# Altium PCB SecurityBoard.PcbDoc (part 2 of 2)
Units mil, origin at the board's own origin, x right, y up, seen from the top; angles counter-clockwise.
Board outline 3728.47 x 3937.01 mil, 4 copper layers (Top Layer, GROUND, POWER, Bottom Layer), stack 53.912 mil thick; 127 components, 88 nets, 441 pads, 179 vias.
Unrouted connection lines stored in the file: 6.
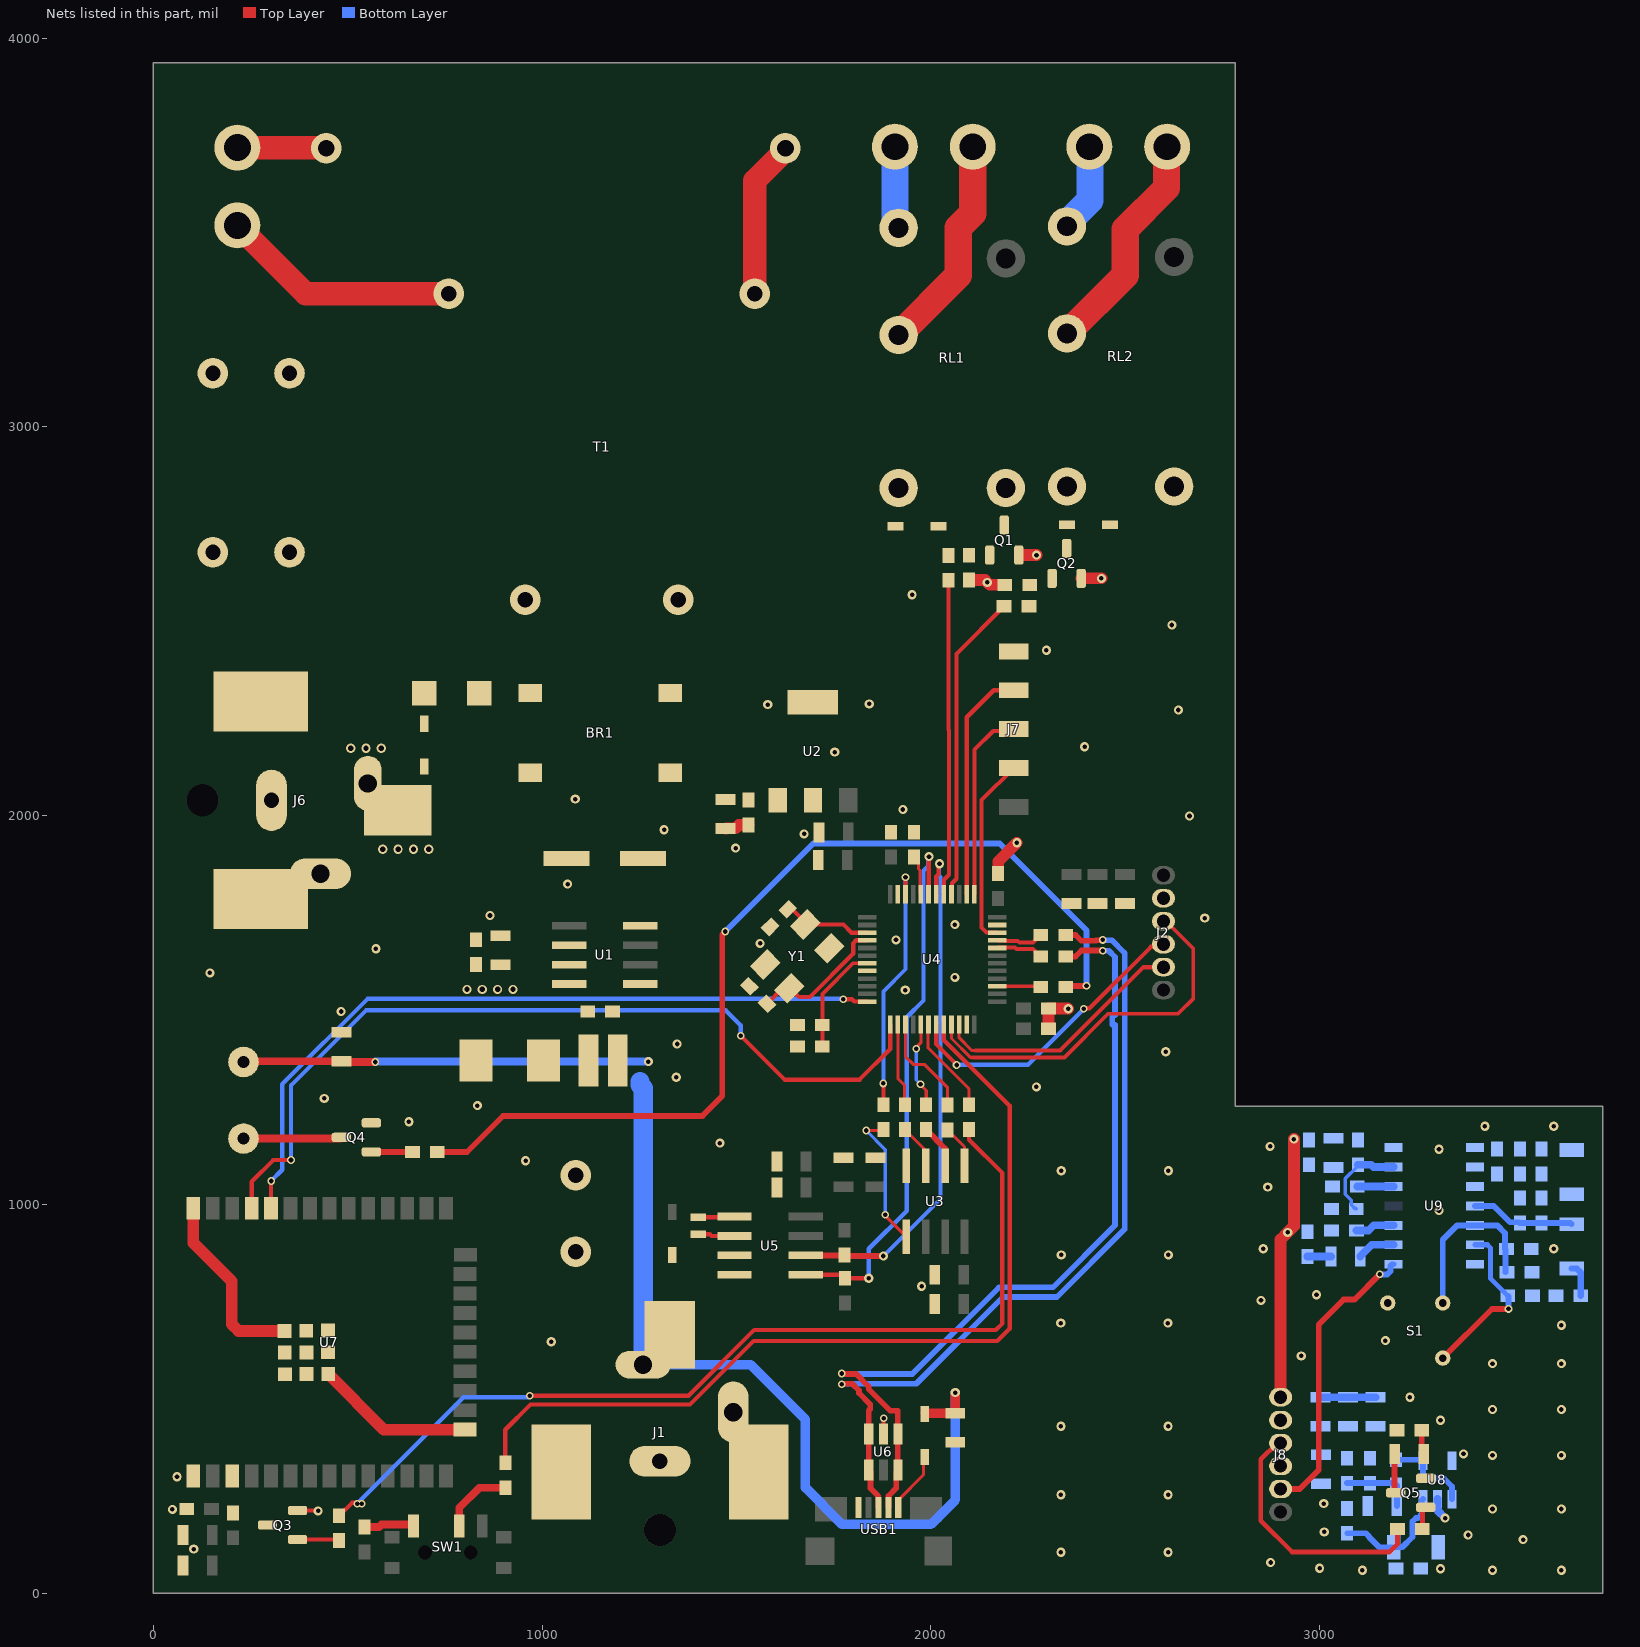
[diagram p4: the nets of this part, all layers, seen from the top]

## Via types
v1: diameter 23.62, hole 11.81, Top Layer to Bottom Layer, tented both sides, 115 vias
v2: diameter 19.68, hole 11.81, Top Layer to Bottom Layer, tented both sides, 24 vias
v3: diameter 19.68, hole 11.81, POWER to Bottom Layer, tented both sides, 20 vias
v4: diameter 23.62, hole 13.78, Top Layer to Bottom Layer, tented both sides, 11 vias
v5: diameter 19.68, hole 11.81, Top Layer to POWER, tented both sides, 6 vias
v6: diameter 23.62/23.62 (per signal layer), hole 11.81, Top Layer to Bottom Layer, tented both sides, 3 vias

## Nets (pads, with @x,y where several pads share a name; then routed paths per layer and width w, separated by ;. In a path a pad name is that pad's centre, name@x,y a point inside that pad or via, vN(x,y) a via of type N, cw(c..) or ccw(c..) an arc to the next point about the centre after c; other vN are vias at no path point) (continued)
3V3DC_II: C38.2 C43.2 C44.2 C45.2 C46.2 C47.2 J8.1 R34.2 R35.2 R37.2 RT1.2 U8.5 U9.14 | length 819.9
  Top Layer w30: J8.1@2899.68,504.09 2899.68,909.68 v1(2918,928) 2934,944 v1(2934,1168)
  Bottom Layer w20: C46.2@3002.05,504.09 C47.2@3143.78,504.09
  other v1: 3311.02,62.99 3381.89,149.61 3370.08,358.27 3311.02,444.88 3232.28,503.94
5VDC: BZ1.2 C3.1 C4.1 C8.1 C14.1 C32.2 D4.1 J1.1 L1.2 U1.4 U2.1 | length 3281.7
  Top Layer w20: BZ1.2@232.28,1366.14 234.25,1368.11 C32.2@484.25,1368.11 486.22,1366.14 v3(570.87,1366.14)
  Top Layer w25: D4.1@1985.93,462.6 C14.1@2062.99,462.6 v1(2062.99,515.75)
  Bottom Layer w20: v3(570.87,1366.14) 571.85,1367.13 v1(1273.62,1367.13)
  Bottom Layer w25: J1.1@1259.84,587.6 1536.42,587.6 1677.17,446.85 1677.17,271.65 1771.65,177.17 2000,177.17 2062.99,240.16 v1(2062.99,515.75)
  Bottom Layer w50: 1251.97,1314.96 1251.97,1307.09 1259.84,1299.21 J1.1@1259.84,587.6
  other v1: 1345.47,1326.77 1347.44,1412.4 1313.98,1963.58
  other v2: 570.87,1366.14
12VDC: C1.1 C2.1 D2.1 D3.1 D5.1 J6.1 RL1.5 RL2.4 U1.7
  other v4: 807.09,1552.85 846.46,1552.85 885.83,1552.85 925.2,1552.85 590.55,1913.39 629.92,1913.39 669.29,1913.39 708.66,1913.39 507.87,2173.23 547.24,2173.23 586.61,2173.23
AC_LINE_1: J3.2 R1.1 | length 229
  Top Layer w60: J3.2@216.54,3718.11 217.32,3717.32 444.09,3717.32 R1.1@444.88,3716.54
AC_LINE_2: J3.1 T1.5 | length 616
  Top Layer w60: J3.1@216.54,3518.11 392.13,3342.52 T1.5@759.84,3342.52
BUZZER: R17.2 R22.1 | length 2531.8
  Top Layer w15: R22.1@730.82,1134.84 807.09,1134.84 899.61,1227.36 1412.4,1227.36 1463.58,1278.54 1463.58,1693.9 v5(1471.46,1701.77) ; R17.2@2346.96,1559.06 2349.91,1562.01 v2(2400.59,1562.01)
  Bottom Layer w15: v5(1471.46,1701.77) 1697.83,1928.15 2177.17,1928.15 2400.59,1704.72 v2(2400.59,1562.01)
  other v2: 1471.46,1701.77
  other v5: 2400.59,1562.01
GND: BR1.4 C1.2 C2.2 C3.2 C4.2 C6.2 C7.2 C8.2 C9.2 C10.2 C11.1 C12.1 C13.1 C14.2 C15.1 C16.1 C17.1 C18.1 C19.2 C20.1 C21.2 C22.1 C23.1 C24.1 C25.1 C26.1 C27.1 C28.1 C29.1 C30.1 C31.1 C32.1 D1.1 J1.2 J1.3 J2.2 J6.2 J6.3 J7.5 Q1.E Q2.E Q3.E Q4.E R3.1 R5.1 R6.1 R8.1 U1.6 U2.2 U3.4 U4.8 U4.23 U4.35 U4.47 U5.4 U6.2 U7.1 U7.15 U7.38 U7.39 USB1.5 Y1.2 Y1.4 | length 1440
  Top Layer w10: U6.2@1877.95,409.45 1878.44,409.94 1878.44,449.31 v2(1878.94,449.8)
  Top Layer w11: Q3.E@371.26,212.6 423.23,212.6 v1(424.21,211.61)
  Top Layer w30: U7.38@103.15,989.96 103.15,900.79 201.77,802.17 201.77,692.06 219.35,674.49 U7.39@337.72,674.49 ; U7.39@450.08,563.86 593.27,420.67 U7.15@802.36,420.67 ; C3.2@1472.44,1966.54 1473.66,1967.76 1497.88,1967.76 1506,1975.87 C4.2@1531.5,1975.87 ; R3.1@2098.43,2605.8 2139.28,2605.8 v1(2145.43,2599.65) 2151.57,2593.5 R5.1@2190.44,2593.5 ; C26.1@2173.23,1850.9 2173.23,1881.89 v1(2221.46,1930.12) ; Q1.E@2234.25,2670.08 v1(2271.85,2670.08) ; C28.1@2302.67,1451.77 C27.1@2302.67,1503.94 2352.36,1503.94 v1(2353.35,1502.95) ; Q2.E@2386.81,2610.04 v1(2438.78,2610.04) v1@2438.98,2610.24
  other v1: 2334.65,105.32 2610.24,105.32 104.33,113.19 49.21,215.55 2334.65,252.95 2610.24,252.95 61.02,299.21 2334.65,429.13 2610.24,429.13 1023.62,646.65 2334.23,694.51 2609.82,694.51 1976.38,789.37 2335.63,870.08 2611.22,870.08 2335.63,1086.61 2611.22,1086.61 957.68,1112.2 1457.68,1157.48 657.48,1212.6 833.66,1253.94 439.96,1272.64 2271.65,1302.17 2604.33,1392.72 483.27,1496.06 1934.06,1551.18 2062.01,1583.66 145.67,1595.47 572.83,1657.48 1561.02,1671.26 1910.43,1680.12 2062.01,1719.49 2704.72,1736.22 866.14,1743.11 1065.94,1823.82 1498.03,1916.34 1674.21,1952.76 2665.35,1999.02 1928.15,2015.75 1085.63,2042.32 1752.95,2163.39 2395.67,2177.17 2636.81,2271.65 1580.71,2285.43 1841.54,2287.4 2297.24,2425.2 2620.08,2490.16 1951.77,2567.91
GND_II: C36.1 C38.1 C39.1 C40.1 C41.1 C42.1 C43.1 C44.1 C45.1 C46.1 C47.1 J8.2 Q5.E R24.1 R25.1 R29.1 R32.1 R33.1 S1.3 U8.2 U9.7 | length 57.2
  Bottom Layer w20: U8.2@3303.15,241.93 3303.15,212.6 v1(3322.83,192.91)
  other v1: 3110.24,59.06 3444.88,59.06 3622.05,59.06 3000,64 2874.02,78.74 3523.62,137.8 3011.81,157.48 3444.88,216.54 3622.05,216.54 3010.83,230.32 3444.88,354.33 3622.05,354.33 3444.88,472.44 3622.05,472.44 3444.88,590.55 3622.05,590.55 2952.76,610.24 3169.29,649.61 3622.05,688.98 2849.33,753.03 2992.13,767.72 2855.32,885.83 3602.36,885.83 3307.09,984.25 2866.69,1044.5 3307.09,1141.73 2872.82,1149.06 3425.2,1200.79 3602.36,1200.79
LED_II: J8.3 R36.1 | length 658.1
  Top Layer w12: J8.3@2899.68,385.98 2890.76,385.98 2849,344.22 2849,186 2929,106 3180,106 3200.28,126.28 R36.1@3200.28,165.35
LIGHT_1_GND: J4.1 RL2.3 | length 229.8
  Bottom Layer w70: RL2.3@2350.39,3515.75 2350.39,3523.44 2409.45,3582.49 2409.45,3718.9 J4.1@2407.87,3720.47
LIGHT_1_VCC: J4.2 RL2.2 | length 587
  Top Layer w70: RL2.2@2350.39,3240.16 2500,3389.76 2500,3507.87 2606.3,3614.17 2606.3,3718.9 J4.2@2607.87,3720.47
LIGHT_2_GND: J5.1 RL1.3 | length 212.6
  Bottom Layer w70: J5.1@1907.87,3720.47 1907.87,3528.95 1917.32,3519.5 v5(1917.32,3511.81)
  other v3: 1917.32,3511.81
LIGHT_2_VCC: J5.2 RL1.2 | length 563.2
  Top Layer w70: RL1.2@1917.32,3236.22 2070.87,3389.76 2070.87,3511.81 2107.87,3548.82 J5.2@2107.87,3720.47
MCU_N: R14.1 U4.32 | length 123.4
  Top Layer w10: U4.32@2171.26,1659.45 2172.17,1660.35 2191.69,1660.35 2192.18,1660.84 2216.69,1660.84 2220.63,1656.9 2263.1,1656.9 2268.96,1651.05 2268.96,1648.3 2279.46,1637.8 R14.1@2282.96,1637.8
MCU_P: R15.1 U4.33 | length 123.4
  Top Layer w10: U4.33@2171.26,1679.13 2172.17,1678.23 2191.69,1678.23 2192.18,1677.74 2223.69,1677.74 2227.63,1673.8 2263.1,1673.8 2268.96,1679.66 2268.96,1682.41 2279.46,1692.91 R15.1@2282.96,1692.91
NetBR1_1: BR1.1 T1.9
NetBR1_2: BR1.2 T1.7
NetBR1_3: BR1.3 F1.1
NetBZ1_1: BZ1.1 Q4.C | length 252.8
  Top Layer w20: BZ1.1@232.28,1169.29 480.91,1169.29 Q4.C@483.86,1172.24
NetC5_1: C5.1 U1.1
NetC5_2: C5.2 D1.2 L1.1 U1.8
NetC9_1: C9.1 C10.1 D2.2 F1.2
NetC17_2: C17.2 U4.3 Y1.3 | length 223
  Top Layer w11: C17.2@1644.67,1758.85 Y1.3@1683.6,1719.92 ; Y1.3@1677.38,1719.92 1775.2,1719.92 1796.3,1698.82 U4.3@1836.61,1698.82
NetC18_2: C18.2 U4.4 Y1.1 | length 359.5
  Top Layer w11: C18.2@1578.73,1515.76 1618.64,1555.67 Y1.1@1635.62,1555.67 1639.21,1555.67 1661.42,1533.46 1688.98,1533.46 1800.2,1644.68 1800.2,1671.26 1808.07,1679.13 U4.4@1836.61,1679.13
NetC21_1: C21.1 D6.1 U5.3
NetC33_1: C33.1 C35.1 R23.2 U9.3
NetC33_2: C33.2 R26.1
NetC34_1: C34.1 R24.2 | length 87.9
  Bottom Layer w16: C34.1@3648,834.91 3661.78,834.91 3672,824.7 3672,810.92 R24.2@3672,765
NetC34_2: C34.2 C35.2 R23.1 U9.4 | length 267.5
  Bottom Layer w15: U9.4@3400,996.06 3447.94,996.06 3490,954 3514,954 R23.1@3515.75,952.25 C35.2@3570.87,952.25 3644.83,952.25 C34.2@3648,949.09
NetC36_2: C36.2 S1.1 U9.6 | length 440.4
  Top Layer w15: S1.1@3316.93,604.57 3443.36,731 v5(3486,731)
  Bottom Layer w13: U9.6@3400,896.06 3431.21,896.06 3440,887.28 3440,809 C36.2@3484,765
  Bottom Layer w15: C36.2@3484,765 3486,763 v5(3486,731)
  other v2: 3486,731
NetC37_1: C37.1 R26.2 R27.1 U9.2
NetC37_2: C37.2 R27.2 U9.1
NetC39_2: C39.2 R29.2 S1.2 U9.5 | length 447.5
  Bottom Layer w15: S1.2@3317.01,746.22 3317.01,909.01 3354.06,946.06 U9.5@3400,946.06 3456.94,946.06 3476.5,926.5 3476.5,884.89 3478.31,883.08 R29.2@3478.31,825.44
NetC40_2: C40.2 R28.2 R30.1 R31.1 | length 183
  Bottom Layer w15: R30.1@3070.87,282.96 R31.1@3129.92,282.96 3192.91,282.96 R28.2@3196.85,279.02 3198.82,277.06 C40.2@3198.82,224.41
NetC42_2: C42.2 R35.1 U9.13 | length 234.2
  Bottom Layer w9: C42.2@3094.49,988.19 3092.47,988.19 3081.47,999.19 3081.47,1010.76 3066.5,1025.74 3066.5,1066.43 3098.43,1098.36 R35.1@3098.43,1101.86
  Bottom Layer w20: R35.1@3098.43,1101.86 3133.14,1101.86 3139,1096 3190.49,1096 U9.13@3190.55,1096.06
NetD3_2: D3.2 Q1.C RL1.4
NetD4_2: D4.2 USB1.1 | length 158.1
  Top Layer w8: USB1.1@1916.34,220.47 1916.34,239.17 1981.3,304.13 1981.3,347.44 D4.2@1984.25,350.39
NetD5_2: D5.2 Q2.C RL2.5
NetD7_1: D7.1 R34.1 | length 61.2
  Bottom Layer w20: R34.1@2968.5,865.64 3029.02,865.64 D7.1@3029.53,866.14
NetD7_2: D7.2 U9.9 | length 98.6
  Bottom Layer w20: D7.2@3104.33,866.14 3134.25,896.06 U9.9@3190.55,896.06
NetD8_1: D8.1 R37.1 | length 63
  Top Layer w15: R37.1@3263,419 3263,362.8 D8.1@3267.8,358
NetD8_2: D8.2 Q5.C | length 101.1
  Top Layer w15: D8.2@3193,358 3193,260.78 Q5.C@3195.75,258.03
NetJ2_3: J2.3 U4.21 | length 974.9
  Top Layer w8: U4.21@2053.15,1462.6 2053.15,1426.62 2101.6,1378.17 2107.72,1378.17
  Top Layer w10: 2107.72,1378.17 2343.72,1378.17 2455.71,1490.16 2635.83,1490.16 2675.2,1529.53 2675.2,1657.48 2604.33,1728.35 J2.3@2598.43,1728.35
NetJ2_4: J2.4 U4.19 | length 786.6
  Top Layer w11: U4.19@2013.78,1462.6 2013.78,1412.4 2066.26,1359.92 v2(2066.26,1358.58) ; v3(2393.7,1502.95) 2395.36,1504.61 2408.26,1504.61 2566,1662.36 2591.49,1662.36 J2.4@2598.43,1669.29
  Bottom Layer w11: v2(2066.26,1358.58) 2066.93,1359.25 2250,1359.25 v3(2393.7,1502.95)
  other v2: 2393.7,1502.95
  other v3: 2066.26,1358.58
NetJ2_5: J2.5 U4.22 | length 662.4
  Top Layer w8: U4.22@2072.83,1462.6 2072.83,1428.15 2105.31,1395.67 2114.97,1395.67
  Top Layer w11: 2114.97,1395.67 2332.68,1395.67 2547.24,1610.24 J2.5@2598.43,1610.24
NetJ7_2: J7.2 U4.34 | length 490.7
  Top Layer w10: U4.34@2171.26,1698.82 2170.35,1699.72 2142.83,1699.72 2130.91,1711.65 2130.91,2039.85 J7.2@2213.5,2122.44
NetJ7_3: J7.3 U4.37 | length 495.4
  Top Layer w11: U4.37@2112.2,1797.24 2112.58,1797.62 2112.58,2169.67 2160.43,2217.52 2208.58,2217.52 J7.3@2213.5,2222.44
NetJ7_4: J7.4 U4.38 | length 605.5
  Top Layer w11: U4.38@2092.52,1797.24 2092.52,2252.95 2162.01,2322.44 J7.4@2213.5,2322.44
NetJ8_5: J8.5 U9.8 | length 757.8
  Top Layer w15: J8.5@2899.68,267.87 2948.87,267.87 2998,317 2998,691.21 3061.95,755.16 3090.16,755.16 v5(3155,820)
  Bottom Layer w15: v5(3155,820) 3174.21,820 3182.34,828.13 3182.34,842.15 3186.26,846.06 U9.8@3190.55,846.06
  other v2: 3155,820
NetQ1_B: Q1.B R2.2 R3.2
NetQ2_B: Q2.B R4.2 R5.2
NetQ3_B: Q3.B R21.2 | length 96.3
  Top Layer w11: Q3.B@371.26,137.8 464.06,137.8 R21.2@466.54,135.32
NetQ4_B: Q4.B R22.2 | length 105.8
  Top Layer w15: Q4.B@561.02,1134.84 R22.2@666.82,1134.84
NetQ5_B: Q5.B R36.2 | length 60.7
  Top Layer w13: R36.2@3264.28,165.35 3264.28,215.12 3269.79,220.63 Q5.B@3272.91,220.63
NetR1_2: R1.2 T1.1 | length 406.6
  Top Layer w60: T1.1@1547.24,3342.52 1547.24,3632.72 1625.98,3711.46 R1.2@1625.98,3716.54
NetR2_1: R2.1 U4.41 | length 814.1
  Top Layer w11: U4.41@2033.46,1797.24 2033.87,1797.65 2033.87,1835.12 2046.65,1847.9 2046.65,2219.16 2045.28,2220.54 R2.1@2045.28,2605.29
NetR4_1: R4.1 U4.40 | length 798.5
  Top Layer w11: U4.40@2053.15,1797.24 2053.79,1796.6 2054.43,1797.24 2054.43,1826.04 2065.94,1837.56 2065.94,2415.86 R4.1@2188.47,2538.39
NetR7_2: R7.2 SW1.2 | length 185.8
  Top Layer w20: SW1.2@787.4,173.23 787.4,219.49 839.06,271.15 R7.2@905.51,271.15
NetR8_2: R8.2 U4.44 | length 103.3
  Top Layer w8: R8.2@1956.69,1893.2 1968.19,1881.7 1968.19,1862.52 1972.44,1858.27 1972.44,1799.21 U4.44@1974.41,1797.24
NetR9_1: R9.1 U3.5 | length 361.7
  Top Layer w8: v3(1833.66,1189.96) 1875.5,1189.96 R9.1@1877.95,1192.41 ; v2(1882.87,973.43) 1882.87,970.28 U3.5@1936.81,916.34
  Bottom Layer w8: v3(1833.66,1189.96) 1882.87,1140.75 v2(1882.87,973.43)
  other v2: 1833.66,1189.96
  other v3: 1882.87,973.43
NetR10_1: R10.1 SW1.1 | length 130.1
  Top Layer w20: R10.1@543.31,169.8 580.79,169.8 587.45,176.45 666.07,176.45 SW1.1@669.29,173.23
NetR11_1: R11.1 U3.1 | length 110
  Top Layer w8: R11.1@2043.31,1191.43 2086.81,1147.92 U3.1@2086.81,1099.41
NetR12_1: R12.1 U3.2 | length 113.6
  Top Layer w15: R12.1@1988.19,1192.41 2013.31,1167.29 2013.31,1166.42 2021.8,1157.93 2022.59,1157.93 2036.81,1143.7 U3.2@2036.81,1099.41
NetR13_1: R13.1 U3.3 | length 115.3
  Top Layer w8: R13.1@1933.07,1192.41 1986.81,1138.67 U3.3@1986.81,1099.41
NetR16_1: R16.1 U4.18 | length 250.2
  Top Layer w8: U4.18@1994.09,1462.6 1993.11,1461.61 1993.11,1402.25 2098.43,1296.94 R16.1@2098.43,1256.41
NetR17_1: R17.1 U4.27 | length 112.5
  Top Layer w10: U4.27@2171.26,1561.02 2280.99,1561.02 R17.1@2282.96,1559.06
NetR25_2: R25.2 RT1.1 U8.3 | length 306.1
  Bottom Layer w15: R25.2@3071,154 3119.17,154 3127.95,145.21 3127.95,143.7 3153.54,118.11 RT1.1@3190.94,118.11 3212.6,118.11 3239.17,144.68 3239.17,184.13 3247.96,192.91 3252.95,192.91 3262.8,202.76 3262.8,238.98 U8.3@3265.75,241.93
NetR28_1: R28.1 U8.1 U8.4 | length 224.8
  Bottom Layer w15: R28.1@3196.85,343.02 3263.47,343.02 U8.4@3265.75,340.75 3265.75,306.25 3277,295 3320,295 3340.55,274.45 U8.1@3340.55,241.93
NetR32_2: R32.2 U9.12 | length 93.6
  Bottom Layer w20: R32.2@3097,1046 3190.49,1046 U9.12@3190.55,1046.06
NetR33_2: R33.2 U9.10 | length 100.9
  Bottom Layer w20: R33.2@3094.99,933.07 3126.07,933.07 3139.06,946.06 U9.10@3190.55,946.06
NetU5_1: U5.1 Y2.1 | length 94.4
  Top Layer w11: Y2.1@1401.57,966.54 1492.91,966.54 U5.1@1495.08,968.7
NetU5_2: U5.2 Y2.2 | length 95.4
  Top Layer w11: Y2.2@1401.57,923.23 1431.26,923.23 1435.79,918.7 U5.2@1495.08,918.7
NRST: C19.1 R6.2 U4.7 | length 282.7
  Top Layer w10: C19.1@1720.98,1406.5 1720.98,1540.72 1800.34,1620.08 U4.7@1836.61,1620.08
RTC_SCL: R19.1 U4.42 U5.6 | length 1354.5
  Top Layer w11: U4.42@2013.78,1797.24 2013.78,1843.19 2019.93,1849.34 2019.93,1873.71 v1(2022.34,1876.12)
  Top Layer w15: U5.6@1678.15,868.7 1777.67,868.7 R19.1@1778.54,869.57 ; R19.1@1778.54,867.13 v1(1877.95,867.13)
  Bottom Layer w11: v1(1877.95,867.13) 2024.68,1013.85 2024.68,1842.31 2020.96,1846.03 2020.96,1874.74 v1(2022.34,1876.12)
RTC_SDA: R18.1 U4.43 U5.5 | length 1412.7
  Top Layer w11: U5.5@1678.15,818.7 1770.39,818.7 R18.1@1779.13,809.95 1840.46,809.95 v1(1840.55,810.04) ; U4.43@1994.09,1797.24 1994.5,1797.65 1994.5,1893.64 v1(1995.45,1894.59)
  Bottom Layer w11: v1(1840.55,810.04) 1840.55,885.83 1937.99,983.27 1937.99,1481.3 1981.3,1524.61 1981.3,1857.92 1993.03,1869.65 1993.03,1892.17 v1(1995.45,1894.59)
SENSOR_ONOFF: R7.1 U4.20 | length 2342.5
  Top Layer w11: R7.1@905.51,335.15 905.51,420.24 970.47,485.2 1380.91,485.2 1544.29,648.58 2171.13,648.58 2202.76,680.21 2202.76,1253.68 2033.46,1422.97 U4.20@2033.46,1462.6
TEMP_ADC: C41.2 J8.4 R30.2 R31.2
TEMP_IN_CS: R13.2 U4.14 | length 213.5
  Top Layer w8: U4.14@1915.35,1462.6 1915.35,1323.82 1932.09,1307.09 1932.09,1257.39 R13.2@1933.07,1256.41
TEMP_IN_OT: R9.2 U4.46 | length 653.1
  Top Layer w10: R9.2@1877.95,1256.41 v3(1877.95,1311.02) ; U4.46@1935.04,1797.24 v2(1935.04,1841.54)
  Bottom Layer w10: v3(1877.95,1311.02) 1877.95,1547.74 1935.04,1604.82 v2(1935.04,1841.54)
  other v2: 1877.95,1311.02
  other v3: 1935.04,1841.54
TEMP_IN_SCLK: R11.2 U4.15 | length 268.7
  Top Layer w8: U4.15@1935.04,1462.6 1935.04,1379.92 1954.72,1360.24 1983.27,1360.24 2043.31,1300.2 R11.2@2043.31,1255.43
TEMP_IN_SIO: R12.2 U4.17 | length 221.7
  Top Layer w8: v3(1962.6,1400.59) 1962.6,1403.75 1974.41,1415.56 U4.17@1974.41,1462.6 ; v3(1973.43,1309.06) 1973.43,1307.69 1988.19,1292.93 R12.2@1988.19,1256.41
  Bottom Layer w8: v3(1962.6,1400.59) 1962.6,1319.88 v3(1973.43,1309.06)
  other v2: 1973.43,1309.06 1962.6,1400.59
USB_N: R14.2 U6.1 U6.6 USB1.2 | length 2153.5
  Top Layer w14.7: v2(1770.67,564.96) 1771.62,564.01 1782.52,564.01 1783,563.53 1808.09,563.53 1840.16,531.46 1840.16,524.75 1895.42,469.49 1915.35,469.49 U6.1@1915.35,409.45 U6.6@1915.35,316.93 1910.89,312.47 1910.89,269.77 1891.27,250.15 1891.27,221 USB1.2@1890.75,220.47 ; R14.2@2346.96,1637.8 2372.05,1637.8 2387.26,1653.01 2441.48,1653.01 v2(2441.93,1652.56)
  Bottom Layer w14.7: v2(1770.67,564.96) 1771.62,564.01 1782.52,564.01 1783,563.53 1952.31,563.53 2175.29,786.51 2313.98,786.51 2473.87,946.4 2473.87,1454.72 2473.87,1462.07 2467.02,1462.07 2467.02,1486.77 2473.87,1486.77 2473.87,1539.37 2473.87,1636.36 2457.68,1652.56 v2(2441.93,1652.56)
  other v3: 1770.67,564.96 2441.93,1652.56
USB_P: R15.2 U6.3 U6.4 USB1.3 | length 2153.5
  Top Layer w14.7: v2(1770.67,537.4) 1771.62,538.36 1782.52,538.36 1783,538.83 1797.86,538.83 1815.46,521.23 1815.46,514.52 1844.43,485.54 1844.43,473.37 1840.55,469.49 U6.3@1840.55,409.45 U6.4@1840.55,316.93 1845.01,312.47 1845.01,269.77 1864.63,250.15 1864.63,221 USB1.3@1865.16,220.47 ; R15.2@2346.96,1692.91 2372.05,1692.91 2387.26,1677.7 2424.21,1677.7 2425.67,1679.16 2440.97,1679.16 v2(2441.93,1680.12)
  Bottom Layer w14.7: v2(1770.67,537.4) 1771.62,538.36 1782.52,538.36 1783,538.83 1962.54,538.83 2185.52,761.81 2324.21,761.81 2498.57,936.17 2498.57,1646.59 2466,1679.16 2442.88,1679.16 v2(2441.93,1680.12)
  other v3: 1770.67,537.4 2441.93,1680.12
WIFI_EN: R16.2 R21.1 | length 2458.3
  Top Layer w11: R21.1@478.35,199.32 511.31,232.28 534.45,232.28 v5(536.42,230.32) ; v3(968.5,507.87) 1376.97,507.87 1545.67,676.57 2167.22,676.57 2184.06,693.41 2184.06,1080.71 2098.43,1166.34 R16.2@2098.43,1192.41
  Bottom Layer w11: v3(524.61,230.32) 798.23,503.94 964.57,503.94 v3(968.5,507.87)
  other v2: 968.5,507.87
WIFI_OUT: Q3.C R20.2 U7.3
WIFI_RXD: U4.12 U7.34 | length 1925.6
  Top Layer w11: U7.34@303.15,993.89 v2(303.15,1060.04) ; v3(1774.61,1527.56) 1797.09,1527.56 1802.99,1521.65 U4.12@1836.61,1521.65
  Bottom Layer w11: v2(303.15,1060.04) 331.99,1088.88 331.99,1309.22 551.32,1528.54 1773.62,1528.54 v3(1774.61,1527.56)
  other v2: 1774.61,1527.56
  other v3: 303.15,1060.04
WIFI_TXD: U4.13 U7.35 | length 2186.9
  Top Layer w11: U7.35@253.15,993.89 253.15,1058.27 309.06,1114.17 v2(354.33,1114.17) ; v2(1510.83,1434.06) 1624.02,1320.87 1816.93,1320.87 1895.67,1399.61 U4.13@1895.67,1462.6
  Bottom Layer w11: v2(354.33,1114.17) 354.33,1306.1 547.24,1499.02 1472.44,1499.02 1510.83,1460.63 v2(1510.83,1434.06)
  other v3: 354.33,1114.17 1510.83,1434.06
pads on no net: J1. J2.6 J6. J8.6 RL1.1 RL2.1 SW1. SW1.3 U1.2 U1.3 U1.5 U3.6 U3.7 U4.1 U4.2 U4.5 U4.6 U4.10 U4.11 U4.16 U4.25 U4.26 U4.28 U4.29 U4.30 U4.31 U4.39 U4.45 U5.7 U7.4 U7.5 U7.6 U7.7 U7.8 U7.9 U7.10 U7.11 U7.12 U7.13 U7.14 U7.16 U7.17 U7.18 U7.19 U7.20 U7.21 U7.22 U7.23 U7.24 U7.25 U7.26 U7.27 U7.28 U7.29 U7.30 U7.31 U7.32 U7.33 U7.36 U7.37 U9.11 USB1. USB1.4

## Polygon pours and split planes (outlines as drawn)
GND on Top Layer "GND_L01_P030" (solid, remove dead copper, pour order 30): 28.54,3189.96 33.46,3189.96 67.91,3224.41 196.85,3224.41 234.25,3187.01 232.28,3185.04 232.28,2544.29 276.57,2544.29 451.77,2369.09 451.77,1953.74 615.16,1790.35 752.95,1790.35 826.77,1864.17 826.77,2121.06 903.54,2197.83 1394.68,2197.83 1554.13,2357.28 1555.12,2356.3 1776.57,2356.3 1892.72,2472.44 1892.72,2662.4 1948.82,2718.5 2615.16,2718.5 2740.16,2593.5 2740.16,159.45 2619.09,38.39 987.2,38.39 878.94,146.65 878.94,972.44 791.34,1060.04 227.36,1060.04 33.46,1253.94
GND_II on Top Layer "GND_II_L01_P028" (solid, remove dead copper, pour order 28): 3728.35,1228.35 3704.72,1251.97 2846.46,1251.97 2830.71,1236.22 2830.71,1181.1 2822.83,1173.23 2822.83,35.43 2858.27,0 3673.23,0 3728.35,55.12
NetC21_1 on Top Layer "NETC21_1_L01_P017" (solid, pour order 17): 1035.43,948.82 1003.94,917.32 1003.94,850.39 1047.24,807.09 1129.92,807.09 1177.17,854.33 1287.4,854.33 1314.96,826.77 1358.27,826.77 1385.83,854.33 1543.31,854.33 1555.12,866.14 1555.12,881.89 1547.24,889.76 1381.89,889.76 1354.33,917.32 1291.34,917.32 1275.59,901.57 1177.17,901.57 1129.92,948.82
3V3DC on Top Layer "Top Layer-3V3DC" (solid, pour order 16): 2208.66,1759.84 2267.72,1818.9 2641.73,1818.9 2657.48,1834.65 2657.48,1885.83 2637.8,1905.51 2574.8,1905.51 2291.34,1905.51 2200.79,1814.96 2153.54,1814.96 2145.67,1807.09 2145.67,1732.28 2196.85,1732.28 2208.66,1744.09
NetC9_1 on Top Layer "NETC9_1_L01_P006" (solid, pour order 6): 295.28,3218.5 436.94,3218.5 436.94,3217.52 462.6,3191.87 462.6,2677.17 728.35,2411.42 728.35,2224.41 708.66,2204.72 639.76,2204.72 590.55,2253.94 590.55,2362.2 393.7,2559.06 324.8,2559.06 265.75,2618.11 265.75,3188.98
NetBR1_1 on Top Layer "NETBR1_1_L01_P001" (solid, pour order 1): 1244.09,2637.8 1244.09,2523.62 1287.4,2480.32 1397.64,2480.32 1452.76,2425.2 1452.76,2205.85 1419.29,2177.17 1279.53,2177.17 1240.16,2137.8 1240.16,2106.3 1259.84,2086.61 1425.2,2086.61 1519.68,2169.29 1519.68,2527.56 1409.45,2637.8
NetBR1_2 on Top Layer "NONET_L01_P000" (solid, pour order 0): 866.14,2637.8 858.27,2629.92 858.27,2492.13 885.83,2464.57 1039.37,2464.57 1255.91,2248.03 1385.83,2248.03 1401.57,2263.78 1401.57,2381.89 1385.83,2397.64 1220.47,2397.64 1070.87,2547.24 1070.87,2614.17 1047.24,2637.8
5VDC on Top Layer "Top Layer-5VDC" (solid, pour order 12): 1370.08,1271.65 1421.26,1322.83 1421.26,1775.59 1326.77,1862.2 1326.77,1921.26 1421.26,2015.75 1559.06,2015.75 1582.68,1992.13 1625.98,1992.13 1645.67,2011.81 1645.67,2070.87 1625.98,2090.55 1570.87,2090.55 1555.12,2074.8 1444.88,2074.8 1425.2,2055.12 1346.46,2055.12 1279.53,1988.19 1208.64,1964.59 1188.94,1944.88 1188.94,1700.79 1196.85,1688.98 1318.9,1688.98 1350.39,1657.48 1350.39,1480.32 1318.9,1448.82 1165.35,1448.82 1161.42,1444.88 1161.42,1291.34 1181.1,1271.65
GND on Bottom Layer "Bottom Layer-GND" (solid, pour order 22): 33.46,58.07 63.98,27.56 2672.24,27.56 2754.92,110.24 2744.09,2706.69 1945.87,2706.69 1853.35,2614.17 1856.3,2611.22 1856.3,2395.67 1806.1,2345.47 461.61,2345.47 259.84,2547.24 246.06,2561.02 236.22,3186.02 204.72,3217.52 54.13,3217.52 30.51,3193.9 28.54,2328.74 28.54,1433.07 379.31,1427.4 410.39,1426.89 410.39,1075.79 782.48,1075.79 872.05,986.22 867.13,981.3 867.13,261.81 850.39,245.08 686.02,245.08 683.07,242.13 36.42,242.13 33.46,239.17
GND_II on Bottom Layer "GND_II_L04_P029" (solid, remove dead copper, pour order 29): 3728.35,1228.35 3704.72,1251.97 2846.46,1251.97 2830.71,1236.22 2830.71,1181.1 2822.83,1173.23 2822.83,35.43 2858.27,0 3673.23,0 3728.35,55.12
5VDC on POWER (split plane): 1369.34,2027.65 1405.2,1991.79 1405.2,1291.68 1380.57,1267.04 1200.34,1267.04 1184.36,1277.44 1184.36,1431.7 1227.11,1477.5 1227.9,1478.53 1228.71,1479.54 1228.79,1479.7 1228.9,1479.85 1229.48,1481.01 1230.08,1482.16 1230.13,1482.34 1230.21,1482.5 1230.54,1483.75 1230.9,1485 1230.92,1485.18 1230.97,1485.35 1231.05,1486.65 1231.16,1487.94 1226.15,1952.82 1263.66,2028.57
3V3DC_II on POWER (split plane): 3708.25,20.1 2824.09,20.1 2808,1231.87 3708.25,1231.87
12VDC on POWER (split plane): 2711.35,2933.4 2711.35,2738.85 2543.63,2571.13 2282.48,2571.13 2279.61,2570.76 2276.93,2569.65 2274.64,2567.88 1822.18,2115.43 852.36,2115.43 849.49,2115.05 846.81,2113.94 844.52,2112.18 804.53,2072.19 802.77,2069.89 801.66,2067.22 801.28,2064.35 801.66,2061.47 802.25,2060.04 801.9,2057.33 801.9,1906.5 802.28,1903.62 803.38,1900.95 805.15,1898.65 974.14,1729.66 974.14,1555.78 914.7,1496.33 774.28,1496.33 676.45,1594.16 676.45,1743.11 676.12,1745.65 676.07,1745.98 675.61,1747.09 674.96,1748.66 674.55,1749.19 673.2,1750.96 609.47,1814.69 523.35,1900.81 445.15,1979.01 445.15,2197.18 499.67,2251.7 1433.4,2251.7 1452.78,2232.31 1455.08,2230.55 1457.76,2229.44 1460.63,2229.06 1703.74,2229.06 1706.61,2229.44 1708.5,2230.22 1709.29,2230.55 1711.59,2232.31 1814.69,2335.41 1850.36,2371.09 1852.13,2373.39 1853.24,2376.07 1853.61,2378.94 1853.61,2918.63 1874.97,2939.99 1888.95,2953.96 1981.13,2953.96 2017.45,2917.65 2017.45,2796.26 2017.83,2793.39 2018.93,2790.71 2020.7,2788.41 2101.41,2707.71 2103.7,2705.94 2106.38,2704.83 2109.25,2704.46 2462.6,2704.46 2465.47,2704.83 2467.36,2705.62 2468.15,2705.94 2470.44,2707.71 2527.53,2764.79 2528.53,2766.09 2529.29,2767.09 2529.75,2768.2 2530.4,2769.77 2530.78,2772.64 2530.78,2931.43 2566.6,2967.25 2677.49,2967.25
3V3DC on POWER (split plane): 491.14,2383.86 1811.02,2383.86 1811.02,2995.08 2763.37,2995.08 2763.37,1280.88 2762,1279.23 2759.99,1275.85 2758.53,1272.2 2757.66,1268.36 2757.41,1264.43 2773.93,20.1 19.97,20.1 19.97,243.11 38.39,243.11 38.39,1055.12 19.97,1055.12 19.97,3339.57 491.14,3339.57
GND_II on GROUND (split plane): 3708.25,20.1 2807.54,20.1 2806.6,1231.87 3708.25,1231.87
GND on GROUND (split plane): 2757.39,20.1 19.97,20.1 19.97,3916.91 2754.36,3916.91

## Other copper
Top Layer:
  region net 3V3DC_II: 3264.76,528.54 3263.78,529.53 3212.6,529.53 3171.26,488.19 3171.26,399.61 3175.2,395.67 3218.5,395.67 3230.31,407.48 3230.31,444.88 3276.57,491.14 3276.57,522.64
  region: 2881,233.83 2922,233.83 2934,221.83 2934,192.83 2924,182.83 2877.17,182.83 2868,192 2868,224.3
  region net NetJ8_5: 2877,292.89 2922,292.89 2934,280.89 2934,251.89 2924,241.89 2877.11,241.89 2866,253 2866,281.89
  region net TEMP_ADC: 2880,351.94 2919.71,351.94 2931.1,340.55 2931.1,311.02 2922.24,302.17 2877.11,302.17 2868,313.98 2868,339.94
  region net 3V3DC_II: 2877,529.11 2922,529.11 2934,517.11 2934,488.11 2924,478.11 2877.89,478.11 2866,490 2866,518.11
  region net GND_II: 2877.94,470.06 2922,470.06 2934,458.06 2934,429.06 2924,419.06 2877.94,419.06 2866,431 2866,459.06
  region net LED_II: 2877,411 2922,411 2934,399 2934,370 2925.22,361.22 2870.99,361.22 2866,366.21 2866,400
  pour cut-out: 537.15,1153.1 536.26,1153.99 507.73,1153.99 507.73,1158.06 515.92,1166.24
  pour cut-out: 1279.53,2184.3 1279.53,2187.99 1292.32,2200.79
  pour cut-out: 2024.61,2693.9 2024.61,2711.61 2012.8,2723.43 2039.37,2723.43
  pour cut-out: 1323.94,1587.72 1327.76,1591.54 1348.43,1591.54 1348.43,1570.87 1340.55,1578.74 1322.83,1578.74
  pour cut-out: 2195.87,1708.66 2228.35,1708.66 2248.03,1728.35 2439.96,1728.35 2480.32,1687.99 2480.32,1641.73 2445.87,1607.28 2241.17,1607.28 2198.84,1649.61 2192.91,1649.61
  region net GND: 1987.2,718.5 1995.08,710.63 2023.62,710.63 2028.54,715.55 2028.54,849.41 2024.61,853.35 1995.08,853.35 1987.2,845.47 1987.2,819.88 1977.36,810.04 1961.61,810.04 1948.82,797.24 1948.82,781.5 1961.61,768.7 1982.28,768.7 1987.2,763.78
  region net 3V3DC: 2220.47,1524.61 2255.91,1524.61 2266.73,1513.78 2266.73,1436.02 2258.86,1428.15 2219.49,1428.15 2212.6,1435.04 2111.22,1435.04 2106.3,1439.96 2106.3,1487.2 2116.14,1497.05 2189.96,1497.05 2218.5,1525.59 2221.46,1525.59
  region net GND: 2164.37,2399.61 2170.28,2393.7 2255.91,2393.7 2364.17,2393.7 2377.95,2407.48 2377.95,2443.53 2363.19,2452.76 2175.2,2452.76 2164.37,2441.93
  region net GND: 2369.09,2631.89 2376.97,2639.76 2398.62,2639.76 2403.54,2634.84 2403.54,2585.63 2397.64,2579.72 2373.03,2579.72 2373.03,2580.71 2369.09,2586.61
  region net GND: 125.98,3186.02 126.97,3187.01 174.21,3187.01 206.69,3154.53 206.69,3114.17 191.93,3099.41 191.93,2724.41 208.66,2707.68 208.66,2653.54 184.06,2628.94 125.98,2628.94 97.44,2657.48 97.44,2709.65 97.44,3150.68
  region net GND: 1648.62,1892.72 1695.87,1845.47 1723.43,1845.47 1723.43,1846.46 1729.33,1852.36 1729.33,1996.06 1720.47,2004.92 1720.47,2078.74 1712.6,2086.61 1681.1,2085.63 1679.13,2085.63 1664.37,2070.87 1664.37,1978.35 1648.62,1962.6
  region net GND: 1499.02,1570.87 1496.06,1551.18 1523.62,1526.57 1533.46,1526.57 1619.09,1612.2 1619.09,1653.54 1598.43,1674.21 1598.43,1684.06 1618.11,1703.74 1618.11,1719.49 1597.44,1740.16 1579.72,1740.16 1540.35,1700.79 1540.35,1625.98 1493.41,1575.91 1496.06,1551.18
  region net GND: 1625,1475.39 1634.84,1485.24 1634.84,1488.19 1677.17,1488.19 1686.02,1479.33 1686.02,1383.86 1679.13,1376.97 1631.89,1376.97 1624.02,1384.84
  region net GND: 92.52,39.04 51.51,39.04 36.42,54.13 36.42,587.6 172.24,723.43 317.91,723.43 317.91,509.84 249.02,509.84 120.08,380.91 120.08,66.6
  region net GND: 286.43,691.94 317.91,723.43 469.49,723.43 502.95,695.87 502.95,533.46 479.33,509.84 317.91,509.84 285.49,542.27
  region net WIFI_OUT: 186.02,333.66 186.02,191.93 196.85,181.1 246.06,181.1 242.06,181.1 244.92,175.56 262.8,156.5 326.77,156.5 332.68,162.4 332.68,185.04 311.02,206.69 230.32,206.69 222.44,214.57 222.44,269.68 220.47,277.56 220.47,333.66
  region net 3V3DC: 130.91,48.23 140.75,38.39 234.25,38.39 239.17,43.31 239.17,155.51 225.39,169.29 186.02,169.29 175.2,180.12 175.2,257.87 170.28,262.8 170.28,334.65 135.83,334.65 134.84,260.83 130.91,256.89
  region net NetQ1_B: 2017.72,2687.01 2031.5,2700.79 2164.37,2700.79 2177.17,2687.99 2177.17,2645.67 2167.32,2635.83 2129.92,2635.83 2121.06,2644.68 2027.56,2644.68 2017.72,2654.53
  region net NetQ2_B: 2322.78,2643.76 2330.71,2635.83 2330.71,2634.84 2330.71,2582.68 2325.79,2577.76 2292.32,2577.76 2282.48,2567.91 2282.48,2519.69 2269.68,2506.89 2235.24,2506.89 2224.41,2517.72 2224.41,2609.25 2234.25,2619.09 2287.4,2619.09 2290.35,2620.08 2297.24,2637.8 2305.18,2643.76
  region net NetD5_2: 2286.88,2889.25 2287.92,2809.52 2311.02,2786.42 2311.02,2739.17 2311.02,2712.6 2325.79,2697.83 2325.79,2664.37 2337.6,2652.56 2366.14,2652.56 2375.98,2662.4 2375.98,2701.77 2383.86,2709.65 2383.86,2785.43 2412.4,2813.98 2412.4,2880.91 2378.94,2914.37 2312.01,2914.37
  region net 12VDC: 2442.91,2771.65 2430.12,2758.86 2430.12,2737.2 2441.93,2725.39 2520.67,2725.39 2574.8,2779.53 2666.34,2779.53 2703.74,2816.93 2703.74,2895.67 2673.23,2926.18 2590.55,2926.18 2544.29,2879.92 2544.29,2805.12 2510.83,2771.65
  region net NetD3_2: 2000.98,2765.75 1991.14,2755.91 1991.14,2735.24 2000.98,2725.39 2159.45,2725.39 2173.23,2711.61 2206.69,2711.61 2222.44,2727.36 2222.44,2769.68 2255.91,2803.15 2255.91,2881.89 2223.43,2914.37 2152.56,2914.37 2122.05,2883.86 2122.05,2786.42 2101.38,2765.75
  region net 12VDC: 1865.06,2917.23 1850.39,2902.56 1850.39,2766.73 1883.86,2733.27 1932.09,2733.27 1936.02,2737.2 1984.25,2814.37 1984.25,2912.4 1978.35,2918.31
  region net 3V3DC: 1764.96,944.88 1782.68,927.17 1822.83,927.17 1854.33,958.66 1854.33,992.52 1881.1,1009.84 1891.73,1020.47 1891.73,1059.84 1880.32,1071.26 1744.49,1071.26 1722.44,1093.31 1704.72,1104.23 1704.72,1133.86 1692.91,1145.67 1665.35,1145.67 1649.61,1129.92 1649.61,1011.81 1618.11,980.32 1618.11,956.69 1629.92,944.88
  region net 3V3DC: 2070.87,964.57 2070.87,858.27 2059.06,846.46 2059.06,700.79 2066.93,692.91 2110.24,692.91 2118.11,700.79 2118.11,854.33 2118.11,964.57 2102.36,964.57 2078.74,964.57
  region net 3V3DC: 1744.09,2000 1763.78,1980.32 1763.78,1850.39 1776.57,1837.6 1870.57,1837.6 1885.83,1827.43 1885.83,1775.59 1900.39,1775.59 1900.39,1849.21 1921.26,1870.08 1921.26,1913.39 1913.39,1921.26 1830.71,1921.26 1818.9,1933.07 1818.9,1984.25 1832.68,2005.91 1838.58,2011.81 1838.58,2074.8 1826.77,2086.61 1755.91,2086.61 1744.09,2074.8
  region net NetC5_1: 1188.98,1582.68 1161.42,1555.12 1161.42,1476.38 1165.35,1472.44 1212.6,1472.44 1224.41,1484.25 1314.96,1484.25 1322.83,1492.13 1322.83,1578.74 1318.9,1582.68
  region net NetC5_2: 1122.05,1582.68 1019.68,1582.68 1007.87,1570.87 1007.87,1543.31 952.76,1488.19 929.13,1464.57 929.13,1291.34 948.82,1271.65 1129.92,1271.65 1149.61,1291.34 1149.61,1555.12
  region net 12VDC: 1119.24,1635.68 1126.97,1627.95 1126.97,1607.28 1119.87,1600.19 991.92,1600.19 971.46,1579.72 971.46,1551.18 942.91,1522.64 790.35,1522.64 748.03,1564.96 748.03,1631.89 764.76,1648.62 960.63,1648.62 973.57,1635.68
  region net 12VDC: 725.39,2165.35 658.46,2165.35 622.05,2165.35 584.65,2202.76 501.97,2202.76 475.39,2176.18 475.39,1977.36 570.87,1881.89 722.44,1881.89 751.97,1911.42 751.97,2139.76 727.36,2164.37
  region net NetBR1_3: 797.24,2372.05 1013.78,2372.05 1033.46,2352.36 1033.46,2283.46 1013.78,2263.78 797.24,2263.78 787.4,2273.62 787.4,2362.2 797.24,2372.05 797.24,2362.2
Bottom Layer:
  region net 3V3DC_II: 2940,958 2985,958 2992,951 2992,901 2989,898 2911,898 2896,913 2896,942 2910.83,956.83
  region net 3V3DC_II: 2916,1186 2935,1205 3192,1205 3231,1166 3231,1141 3216,1126 3152,1126 3139,1139 2933,1139 2916,1156
  region net 3V3DC_II: 2865.66,490.89 2877.22,479.33 3170.28,479.33 3307.09,342.52 3314.96,334.65 3347.12,296.7 3363.11,277.44 3363.11,262.08 3363.11,277.44 3363.11,188.44 3364.11,187.44 3347.11,170.44 3290.11,170.44 3276.11,156.44 3276.11,100.44 3266.11,90.44 3232.11,90.44 3223.11,81.44 3223.11,46.44 3232.11,37.44 3331.11,37.44 3409.45,115.77 3409.45,403.1 3281.06,531.5 2877.95,531.5 2865.66,519.2
  region net NetC33_1: 3374.1,1065.04 3366.14,1057.09 3366.14,1034.45 3377.59,1023 3468,1023 3503.8,987.2 3589.57,987.2 3601.38,999.02 3684.05,999.02 3693.9,1008.86 3693.9,1041.1 3685,1050 3602,1050 3598,1046 3442.64,1046 3421.64,1065.04
  region net NetC37_1: 3374.3,1114.17 3426.83,1114.17 3438,1103 3588,1103 3598,1093 3598,1060 3593,1055 3445,1055 3422.24,1077.76 3374.02,1077.76 3369.09,1082.68 3369.09,1109.62
  region net NetC37_2: 3367.87,1172.99 3362,1167.12 3362,1131.11 3370.08,1123.03 3431.97,1123.03 3442.8,1112.2 3684.05,1112.2 3694.88,1123.03 3694.88,1154.12 3675,1174 3664,1174
  region net TEMP_ADC: 2859,340 2871,352 2935,352 2963,380 3146,380 3161,365 3161,335 3146,320 2971,320 2952.18,301.18 2867.82,301.18 2859,310
  region net GND_II: 2873,470 2972,470 2987,455 3168,455 3180,443 3180,421.14 3165.86,407 2975,407 2962,420 2874,420 2857,437 2857,454
  region net 5VDC: 1163.39,557.09 1194.88,525.59 1336.61,525.59 1364.17,561.02 1381.89,578.74 1381.89,598.43 1332.68,647.64 1305.12,647.64 1283.46,669.29 1240.16,669.29 1218.5,647.64 1190.94,647.64 1163.39,620.08
  region net 5VDC: 1311.02,1271.65 1370.08,1271.65 1421.26,1322.83 1421.26,1444.88 1417.32,1448.82 1165.35,1448.82 1161.42,1444.88 1161.42,1397.64 1141.73,1377.95 1161.42,1377.95 1161.42,1362.2 1141.73,1362.2 1161.42,1345.8 1161.42,1318.9 1208.66,1271.65 1236.22,1244.09 1283.46,1244.09
GROUND (plane layer: these items are gaps in the copper):
  lines w50: 2779.43,3933.07 2782.48,1.97
POWER (plane layer: these items are gaps in the copper):
  rectangle: -14.76,243.11 38.39,1055.12
  rectangle: 1789.37,2995.08 2786.42,3361.22
  rectangle: 491.14,2383.86 1811.02,3372.05
  rectangle: 3.94,3339.57 2797.24,3930.12
  lines w22: 812.38,2064.35 852.36,2104.33 1826.77,2104.33 2282.48,2560.04 2548.23,2560.04 2722.44,2734.25 2722.44,2937.99 2682.09,2978.35 2562.01,2978.35 2519.68,2936.02 2519.68,2772.64 2462.6,2715.55 2109.25,2715.55 2028.54,2796.26 2028.54,2922.24 1985.73,2965.06 1884.35,2965.06 1867.13,2947.83 1842.52,2923.23 1842.52,2378.94 1806.84,2343.26 1703.74,2240.16 1603.35,2240.16 1460.63,2240.16 1437.99,2262.8 667.32,2262.8 495.08,2262.8 434.06,2201.77 434.06,1974.41 515.5,1892.96 601.62,1806.84 665.35,1743.11 665.35,1589.57 769.68,1485.24 919.29,1485.24 985.24,1551.18 985.24,1734.25 812.99,1906.5 812.99,2057.33
  lines w30: 1169.29,1269.26 1195.87,1251.97 1386.81,1251.97 1420.28,1285.43 1420.28,1998.03 1375.63,2042.67 1254.35,2043.72 1211.04,1956.28 1216.09,1487.78 1169.29,1437.64 1169.29,1269.26
  lines w50: 2782.48,1264.76 2799.21,4.92

## Silkscreen, mask and mechanical layers (free items; w line width, h text height)
Top Overlay:
  lines w3.94: 2783.46,19.68 2783.46,3956.69 2787.4,3956.69
  text "AC" at 251.97,3870.08 h31.5
  text "PROG" at 2366.14,2503.94 h31.5
  text "SENSOR" at 2740.16,1500 h31.5 r90
  text "WiFi_sec_det_v01" at 2208.66,78.74 h31.5
  text "WiFi_sec_det_v01" at 3208.66,39.37 h31.5
Bottom Overlay:
  text "MAIN" at 2866.14,708.66 h31.5 r90
Route Tool Path:
  lines w11.81: 2789.37,231.3 2789.37,239.17 ; 2789.37,258.86 2789.37,266.73 ; 2789.37,286.42 2789.37,294.29 ; 2789.37,313.98 2789.37,321.85 ; 2789.37,605.31 2789.37,613.19 ; 2789.37,632.87 2789.37,640.75 ; 2789.37,660.43 2789.37,668.31 ; 2789.37,687.99 2789.37,695.87 ; 2789.37,979.33 2789.37,987.2 ; 2789.37,1006.89 2789.37,1014.76 ; 2789.37,1034.45 2789.37,1042.32 ; 2789.37,1062.01 2789.37,1069.88 ; 2816.93,231.3 2816.93,239.17 ; 2816.93,258.86 2816.93,266.73 ; 2816.93,286.42 2816.93,294.29 ; 2816.93,314.96 2816.93,322.83 ; 2816.93,605.31 2816.93,613.19 ; 2816.93,632.87 2816.93,640.75 ; 2816.93,660.43 2816.93,668.31 ; 2816.93,688.98 2816.93,696.85 ; 2816.93,979.33 2816.93,987.2 ; 2816.93,1006.89 2816.93,1014.76 ; 2816.93,1034.45 2816.93,1042.32 ; 2816.93,1062.99 2816.93,1070.87
  lines w39.37: 2803.15,199.8 2804.13,-1.97 ; 2803.15,353.35 2803.15,463.58 2803.15,573.82 ; 2803.15,727.36 2803.15,837.6 2803.15,947.83 ; 2803.15,1141.73 2803.15,1251.97
Drill Drawing:
  lines w3.94: -0.12,0 3.94,0 3728.35,0 3728.35,1251.97 2783.46,1251.97 2783.46,3937.01 3.94,3937.01 -0.12,3937.01 -0.12,0

## Text inside footprints (layer, text, board x,y; h text height)
C8: Top Overlay "A" at 1314.96,1917.32 h19.68
D1: Top Overlay "K" at 980.32,1444.88 h31.5
J2: Top Overlay "1" at 2692.91,1826.77 h39.37
J7: Top Overlay "1" at 2129.92,1996.06 h77.5; Top Overlay "5" at 2114.17,2393.7 h77.5
J8: Bottom Overlay "1" at 2921.26,570.87 h39.37
RL1: Top Overlay "1" at 2318.9,3472.44 h47.24 r180
RL2: Top Overlay "1" at 2716.54,3393.7 h47.24
S1: Top Overlay "G" at 3051.18,759.84 h31.5; Top Overlay "S" at 3433.07,736.22 h31.5; Top Overlay "D" at 3287.4,464.57 h47.24
T1: Top Overlay "INPUT" at 484.25,3314.96 h39.37 r90; Top Overlay "OUTPUT" at 1358.27,2330.71 h39.37